# Altium PCB DB_ADCS.PcbDoc (part 1 of 2)
Units mm, origin at the board's own origin, x right, y up, seen from the top; angles counter-clockwise.
Board outline 63.5 x 43.5 mm, 2 copper layers (Top Layer, Bottom Layer), stack 1.671 mm thick; 120 components, 101 nets, 423 pads, 133 vias.
Unrouted connection lines stored in the file: 155.
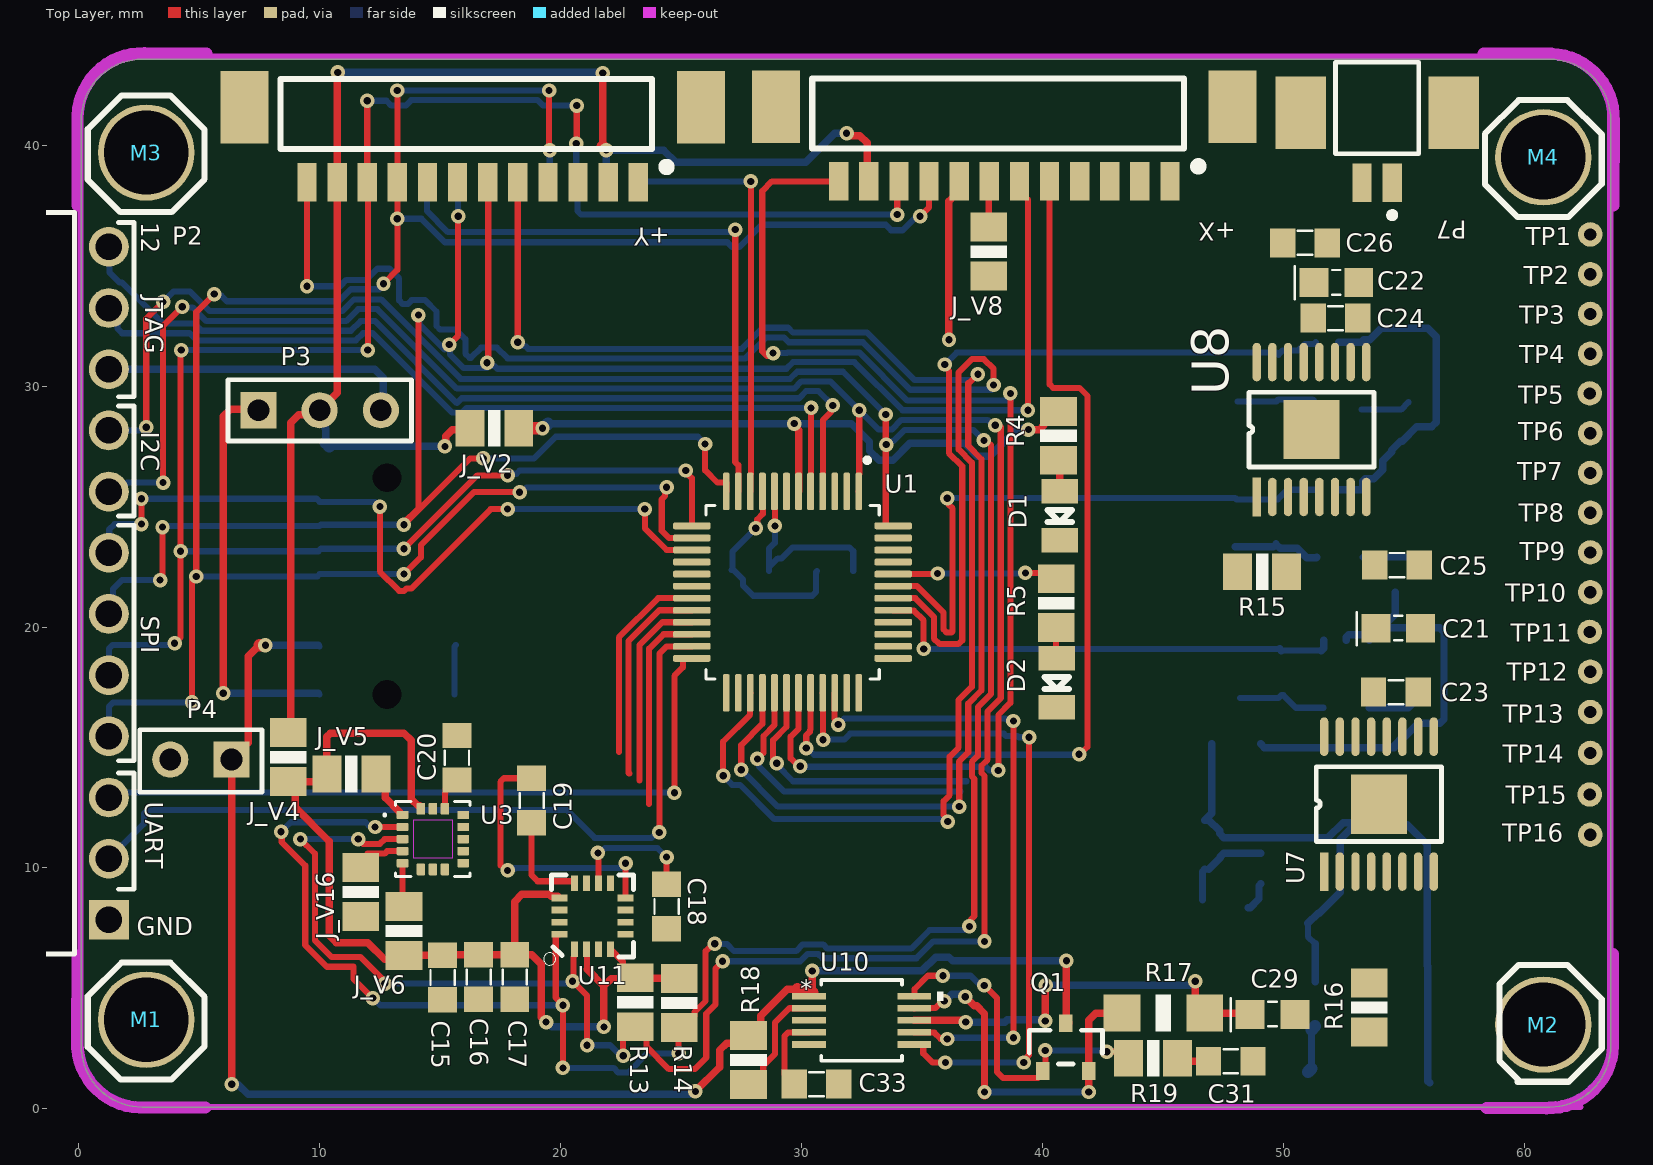
[diagram p0: Top Layer view]
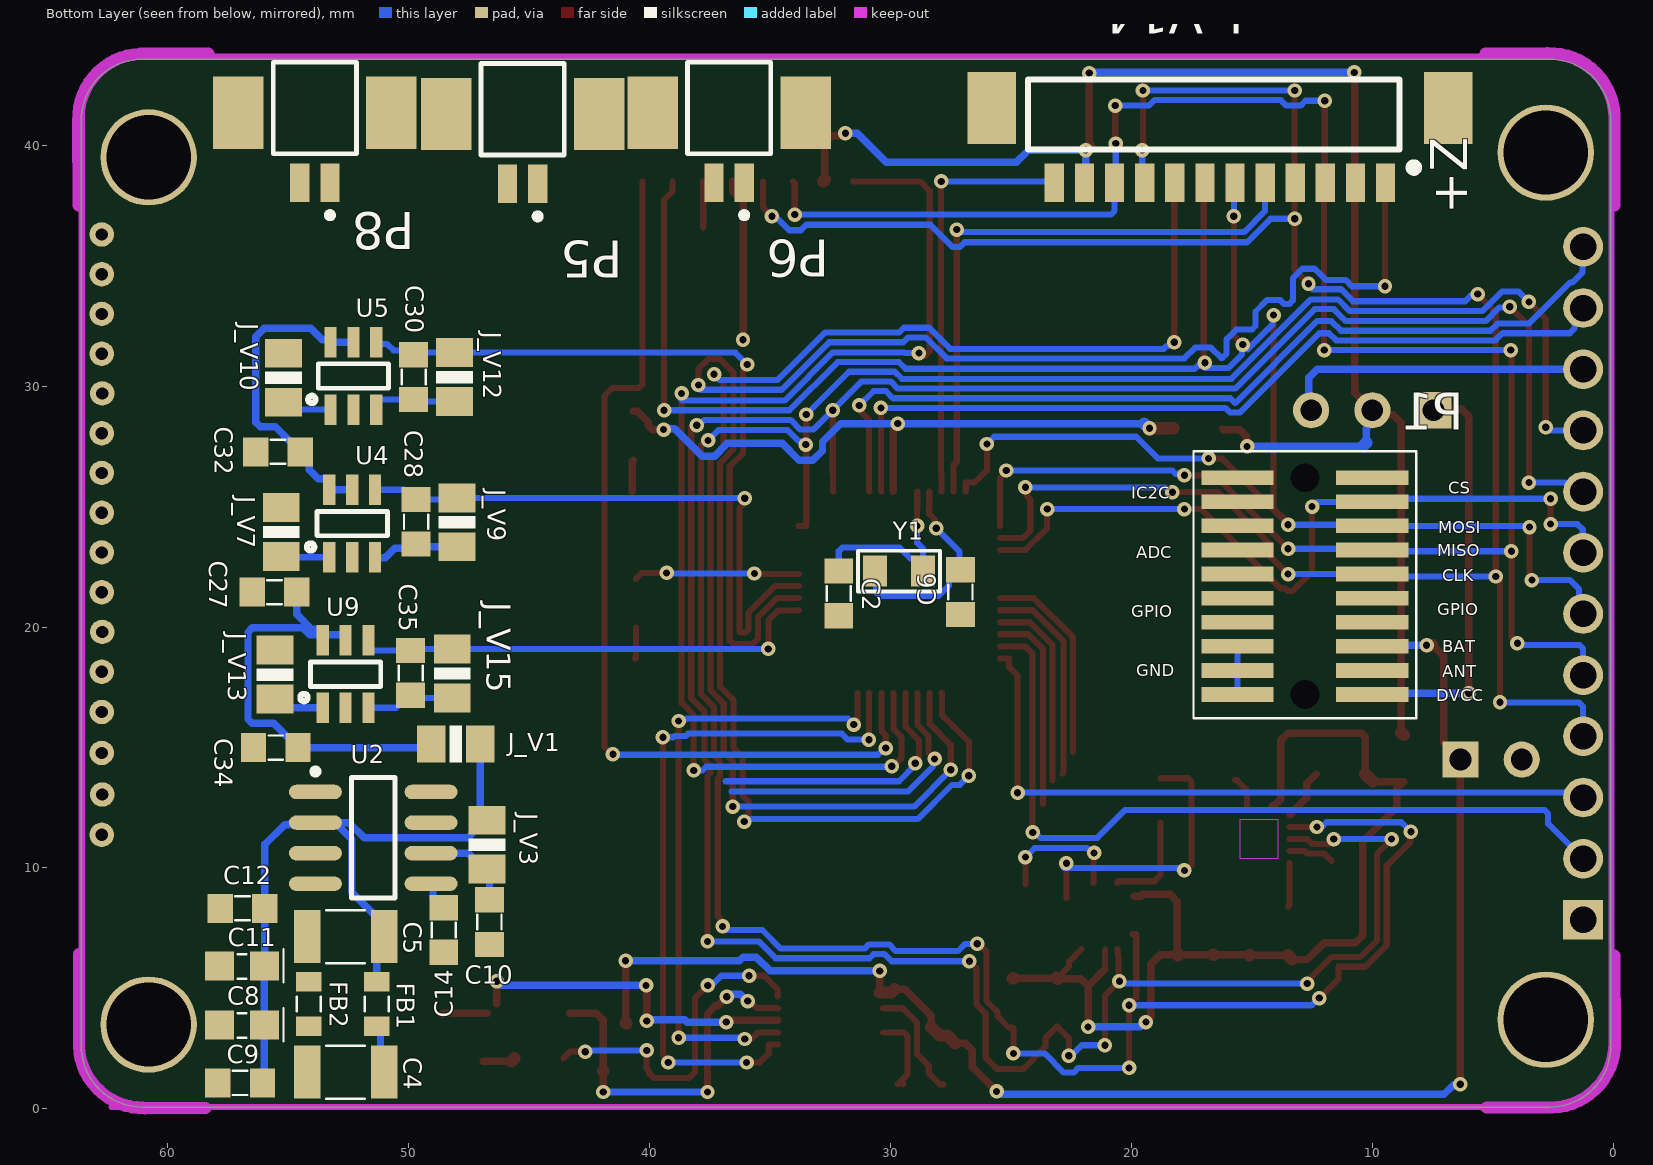
[diagram p1: Bottom Layer view, seen from below]

## Layer stack, top to bottom
Top Solder: solder mask 0.0102, Solder Resist, Dk 3.5
Top Layer: signal copper 0.0356
Dielectric 1: dielectric 1.6, FR-4, Dk 4.8
Bottom Layer: signal copper 0.0356
Bottom Solder: solder mask 0.0102, Solder Resist, Dk 3.5

## Board outline
0.1,2.615 0.1,41.035 cw(c2.64,41.035) 2.64,43.575 61.06,43.575 cw(c61.06,41.035) 63.6,41.035 63.6,2.615 cw(c61.06,2.615) 61.06,0.075 2.64,0.075 cw(c2.64,2.615)

## Design rules (kind name [scope] priority, off if disabled: settings)
Clearance Clearance_1 [(ObjectKind = 'Pad') And (AsMM(X1) = 60.75) And (AsMM(Y1) = 39.75)] p1: gap=0.254 ignorepadtopadclearanceinfootprint=FALSE except(0: Arc-Hole Track-Hole SMDPad-Hole THPad-Hole Via-Hole Fill-Hole Poly-Hole Region-Hole Text-Hole)
Clearance Clearance_6 [InNet('GND')] p2: gap=0.381 ignorepadtopadclearanceinfootprint=FALSE except(0: Arc-Hole Track-Hole SMDPad-Hole THPad-Hole Via-Hole Fill-Hole Poly-Hole Region-Hole Text-Hole; 0.127: SMDPad-SMDPad SMDPad-THPad; 0.152: THPad-THPad; 0.178: Arc-SMDPad Arc-THPad Track-SMDPad Track-THPad; 0.2: Arc-Arc Arc-Track Track-Track; 0.254: SMDPad-Fill SMDPad-Poly SMDPad-Region; 0.508: Arc-Text Track-Text SMDPad-Text Fill-Fill Fill-Poly Fill-Region Fill-Text Poly-Poly Poly-Region Poly-Text Region-Region Region-Text Text-Text)
Clearance [All] p3: gap=0.178 ignorepadtopadclearanceinfootprint=FALSE except(0: Arc-Hole Track-Hole SMDPad-Hole THPad-Hole Via-Hole Fill-Hole Poly-Hole Region-Hole Text-Hole; 0.127: Arc-Arc Arc-Track Track-Track SMDPad-SMDPad SMDPad-THPad THPad-THPad)
DiffPairsRouting DiffPairsRouting_1 [InDifferentialPair('XT2')] p1: maxlimit=0.254 minlimit=0.254 mostfreqgap=0.254 toplayer_minwidth=0.254 toplayer_maxwidth=0.254 toplayer_prefwidth=0.254 bottomlayer_minwidth=0.254 bottomlayer_maxwidth=0.254 bottomlayer_prefwidth=0.254 maxuncoupledlength=12.7
DiffPairsRouting [All] p2: maxlimit=0.152 minlimit=0.152 mostfreqgap=0.152 toplayer_minwidth=0.457 toplayer_maxwidth=0.457 toplayer_prefwidth=0.457 bottomlayer_minwidth=0.457 bottomlayer_maxwidth=0.457 bottomlayer_prefwidth=0.457 maxuncoupledlength=12.7
HoleSize [All] p1: absolutevalues=TRUE maxlimit=5.08 minlimit=0.025 maxpercent=80.000 minpercent=20.000
MinimumSolderMaskSliver [All] p1: minsoldermaskwidth=0
PlaneConnect [InNetClass('power')] p1: planeconnectstyle=Direct reliefexpansion=0.508 reliefentries=4 reliefconductorwidth=0.254 reliefairgap=0.254
PlaneConnect PlaneConnect_1 [All] p2: planeconnectstyle=Relief reliefexpansion=0.508 reliefentries=4 reliefconductorwidth=0.254 reliefairgap=0.254
PolygonConnect PolygonConnect_GDN_Mechole [(ObjectKind = 'Pad') And (AsMM(X1) = 60.75) And (AsMM(Y1) = 39.725) And (Component = 'M4')] p1: connectstyle=Direct reliefconductorwidth=0.254 reliefentries=4 polygonreliefangle="90 Angle" airgapwidth=0.254
PolygonConnect PolygonConnect_GND_pads [(ObjectKind = 'Pad') And (Net = 'GND')] p2: connectstyle=Relief reliefconductorwidth=0.254 reliefentries=4 polygonreliefangle="90 Angle" airgapwidth=0.254
RoutingVias [All] p1: holewidth=0.3 width=0.6 viastyle="Through Hole" minholewidth=0.3 minwidth=0.6 maxholewidth=0.3 maxwidth=0.6
SilkToSilkClearance [All] p1: silktosilkclearance=0.127
SilkToSolderMaskClearance [IsPad] p1: minsilkscreentomaskgap=0 clearancetoexposedcopper=TRUE
SolderMaskExpansion [All] p1: expansion=0.178 istentingtop=FALSE
Width Width_Power [InNetClass('Power')] p1: maxlimit=0.31 minlimit=0.31 preferedwidth=0.31 minimp=50.000000 maximp=50.000000 favimp=50.000000
Width [All] p2: maxlimit=1.778 minlimit=0.127 preferedwidth=0.254
24 further rules are at their usual default settings.

## Classes and differential pairs
net class Power: EXTRA_CHANNEL_1 MAGNETORQUER_X0 MAGNETORQUER_X1 MAGNETORQUER_Y0 MAGNETORQUER_Y1 MAGNETORQUER_Z1 VCC_MAGNETORQUER
component class "OBDH 2.0 to DB_ADCS interface connector": +X +Y +Z P1 P2 P3 P4 P5 P6 P7 P8
component class MCU_OBDH: C1 C2 C3 C4 C5 C6 C7 C8 C9 C10 C11 C12 C13 C14 D1 D2 FB1 FB2 J_V2 J_V3 R1 R2 R3 R4 R5 R6 R7 R8 R9 R10 R11 R12 TP1 U1 U2 Y1
component class "Magnetorquer Drivers": C21 C22 C23 C24 C25 C26 R15 R16 TP4 TP5 TP6 TP7 TP8 TP9 TP10 TP11 TP15 TP16 U7 U8
component class IMU: C15 C16 C17 C18 C19 C20 J_V4 J_V5 J_V6 J_V16 R13 R14 TP2 TP3 U3 U11
component class "Current Sensing": C27 C28 C29 C30 C31 C32 C33 C34 C35 J_V1 J_V7 J_V8 J_V9 J_V10 J_V11 J_V12 J_V13 J_V14 J_V15 Q1 R17 R18 R19 TP12 TP13 TP14 U4 U5 U9 U10
component class 0_Architecture: FD1 FD2 FD3 M1 M2 M3 M4

## Components (designator, comment, footprint, x,y, rotation, side; value= is the part's Value field where it differs from the comment)
+X "Header 12_PicoBlade" "HDR12 PicoBlade - duplicate" 45.3,38.5 r180 top
+Y "Header 12_PicoBlade" "HDR12 PicoBlade - duplicate" 23.225,38.475 r180 top
+Z "Header 12_PicoBlade" "HDR12 PicoBlade - duplicate" 9.45,38.45 r0 bottom
C1 "0.022uF/50V" CC0805 85.6,74.95 r0 top
C2 "12pF/50V" CC0805 32.15,21.4 r90 bottom
C3 "10uF/10V" CC0805_Tantalum 68.255,68.625 r0 top
C4 "22uF/16V" CC1210 52.625,1.525 r0 bottom
C5 "22uF/16V" CC1210 52.625,7.15 r0 bottom
C6 "12pF/50V" CC0805 27.1,21.45 r90 bottom
C7 "0.1uF/25V" CC0805 68.2,64.75 r0 top
C8 "10uF/10V" CC0805_Tantalum 56.925,3.475 r0 bottom
C9 "0.1uF/25V" CC0805 57,1.075 r0 bottom
C10 "0.1uF/25V" CC0805 46.65,7.75 r270 bottom
C11 "10uF/10V" CC0805_Tantalum 56.925,5.925 r0 bottom
C12 "0.1uF/25V" CC0805 56.9,8.325 r0 bottom
C13 "1nF/50V" CC0805 49.875,72.325 r0 top
C14 "0.01uF/25V" CC0805 48.55,7.425 r270 bottom
C15 "0.1uF/25V" CC0805 15.1,5.45 r270 top
C16 "2.2uF/16V" CC0805 16.6,5.475 r270 top
C17 "0.1uF/25V" CC0805 18.1,5.475 r270 top
C18 "4.7uF/16V" CC0805 24.4,8.4 r270 top
C19 "0.22uF/50V" CC0805 18.8,12.8 r270 top
C20 "0.47uF/50V" CC0805 15.7,14.575 r90 top
C21 "10uF/10V" CC0805_Tantalum 54.775,19.95 r0 top
C22 "10uF/10V" CC0805_Tantalum 52.205,34.3 r0 top
C23 "0.01uF/25V" CC0805 54.675,17.3 r180 top
C24 "0.01uF/25V" CC0805 52.175,32.825 r0 top
C25 "2.2uF/16V" CC0805 54.725,22.575 r0 top
C26 "2.2uF/16V" CC0805 50.9,35.95 r0 top
C27 "0.1uF/25V" CC0805 55.575,21.45 r0 bottom
C28 "18pF/50V" CC0805 49.7,24.375 r90 bottom
C29 "100uF/4V" CC0805_Tantalum 49.555,3.925 r0 top
C30 "18pF/50V" CC0805 49.8,30.375 r90 bottom
C31 "2.2nF/100V" CC0805 47.825,1.975 r180 top
C32 "0.1uF/25V" CC0805 55.425,27.275 r0 bottom
C33 "0.22uF/50V" CC0805 30.625,1.025 r0 top
C34 "0.1uF/25V" CC0805 55.525,15 r0 bottom
C35 "18pF/50V" CC0805 49.925,18.1 r90 bottom
D1 "GREEN" 0805-LED 40.725,24.607 r270 top
D2 "Orange" 0805-LED 40.6,17.675 r270 top
FB1 "30R@100Mhz, 3A" IND0805 51.325,4.35 r90 bottom
FB2 "30R@100Mhz, 3A" IND0805 54.15,4.35 r90 bottom
FD1 "Fiducial" "Fiducial 1.3mm" 26.425,73.3 r0 top
FD2 "Fiducial" "Fiducial 1.3mm" 23.025,78.1 r0 top
FD3 "Fiducial" "Fiducial 1.3mm" 18.725,82.1 r0 top
J_V1 "0R" 0805 48.05,15.15 r180 bottom
J_V2 "0R" 0805 17.25,28.25 r180 top
J_V3 "0R" 0805 46.75,10.966 r90 bottom
J_V4 "0R" 0805 8.7,14.6 r90 top
J_V5 "0R" 0805 11.316,13.9 r0 top
J_V6 "0R" 0805 13.5,7.384 r270 top
J_V7 "0R" 0805 55.3,23.95 r90 bottom
J_V8 "0R" 0805 37.775,35.584 r90 top
J_V9 "0R" 0805 48,24.35 r270 bottom
J_V10 "0R" 0805 55.2,30.35 r90 bottom
J_V11 "0R" 0805 11.2,50.284 r270 top
J_V12 "0R" 0805 48.1,30.375 r270 bottom
J_V13 "0R" 0805 55.55,18.025 r90 bottom
J_V14 "0R" 0805 21.5,48.984 r270 bottom
J_V15 "0R" 0805 48.2,18.075 r270 bottom
J_V16 "0R" 0805 11.7,9 r270 top
M1 "DB Mechanical Hole" "DB Mechanical Hole" 2.8,3.7 r0 top
M2 "DB Mechanical Hole" "DB Mechanical Hole" 60.8,3.5 r0 top
M3 "DB Mechanical Hole" "DB Mechanical Hole" 2.8,39.7 r0 top
M4 "DB Mechanical Hole" "DB Mechanical Hole" 60.8,39.5 r0 top
P1 "FSI-110-03-G-D-AD" "Mating FSI-110-03-G-D-AD" 12.8,21.7 r0 top
P2 "Header 12H" 61301211021 -1.52,21.815 r270 top
P3 "Header 3" HDR1X3 7.46,29 r0 top
P4 "Header 2H" HDR1X2H 6.34,14.5 r180 top
P5 "Header 2H_Picoblade" "HDR2 PICOBLADE" 45.275,39.85 r0 bottom
P6 "Header 2H_Picoblade" "HDR2 PICOBLADE" 36.7,39.9 r0 bottom
P7 "Header 2H_Picoblade" "HDR2 PICOBLADE" 53.9,39.9 r180 top
P8 "Header 2H_Picoblade" "HDR2 PICOBLADE" 53.9,39.9 r0 bottom
Q1 "SI2318DS-T1-E3" FP-S-03946-MFG 40.975,2.559 r90 top
R1 "33k" 0805 82.2,74.9 r180 top
R2 "10k" 0805 100.425,81.875 r0 top
R3 "10k" 0805 100.641,77.625 r0 top
R4 "330R" 0805 40.675,27.941 r90 top
R5 "330R" 0805 40.575,20.991 r90 top
R6 "10k" 0805 100.891,73.225 r0 top
R7 "10k" 0805 101.25,68.775 r0 top
R8 "10k" 0805 101.425,64.325 r0 top
R9 "10k" 0805 101.75,59.975 r0 top
R10 "10k" 0805 101.841,55.7 r0 top
R11 "10k" 0805 101.9,51.375 r0 top
R12 "47k" 0805 45.359,72.6 r180 top
R13 "10k" 0805 23.1,4.425 r90 top
R14 "10k" 0805 24.925,4.393 r90 top
R15 "0.2R/200mW" 0805 49.125,22.3 r0 top
R16 "0.2R/200mW" 0805 53.575,4.209 r90 top
R17 "0.025R" 1206 45.025,3.975 r180 top
R18 "510K" 0805 27.8,2.025 r270 top
R19 "22K" 0805 44.6,2.1 r0 top
TP1 "TEST_POINT_2" TEST_POINT_2 62.75,36.3 r90 top
TP2 "TEST_POINT_2" TEST_POINT_2 62.75,34.65 r90 top
TP3 "TEST_POINT_2" TEST_POINT_2 62.75,33 r90 top
TP4 "TEST_POINT_2" TEST_POINT_2 62.75,31.35 r180 top
TP5 "TEST_POINT_2" TEST_POINT_2 62.725,29.7 r180 top
TP6 "TEST_POINT_2" TEST_POINT_2 62.75,28.05 r180 top
TP7 "TEST_POINT_2" TEST_POINT_2 62.75,26.4 r180 top
TP8 "TEST_POINT_2" TEST_POINT_2 62.75,24.75 r180 top
TP9 "TEST_POINT_2" TEST_POINT_2 62.75,23.1 r180 top
TP10 "TEST_POINT_2" TEST_POINT_2 62.75,21.45 r180 top
TP11 "TEST_POINT_2" TEST_POINT_2 62.725,19.8 r90 top
TP12 "TEST_POINT_2" TEST_POINT_2 62.75,18.15 r90 top
TP13 "TEST_POINT_2" TEST_POINT_2 62.75,16.475 r90 top
TP14 "TEST_POINT_2" TEST_POINT_2 62.75,14.775 r90 top
TP15 "TEST_POINT_2" TEST_POINT_2 62.725,13.05 r90 top
TP16 "TEST_POINT_2" TEST_POINT_2 62.75,11.375 r90 top
U1 "MSP430FR2355TPT" "QFP50P900X900X160-48N - duplicate" 29.63,21.45 r270 top
U2 "REF5030A-Q1" SOIC-8 51.475,11.25 r180 bottom
U3 "IAM-20380" PQFN50P300X300X80-16N 14.7,11.2 r0 top
U4 "TLV341AIDBVR" "SOT-23 6L" 52.35,24.3 r180 bottom
U5 "TLV341AIDBVR" "SOT-23 6L" 52.3,30.425 r180 bottom
U7 "DRV8833PWPR" 16TTSSOP 53.975,12.65 r90 top
U8 "DRV8833PWPR" 16TTSSOP 51.175,28.2 r90 top
U9 "TLV341AIDBVR" "SOT-23 6L" 52.625,18.05 r180 bottom
U10 "LTC4368" MSOP-10_MS 32.5,3.675 r0 top
U11 "HMC5883L" LPCC-16 21.325,8 r90 top
Y1 "32.768kHz 12.5pF" "ABS06 0805" 29.65,22.325 r0 bottom

## Footprints (in the part's own frame and the unit in brackets; to place one, negate y for a bottom-side part, rotate by r counter-clockwise, add the part's x,y. Pads: shape width x height; smd on the part's side, far side on the other; paste and mask are expansions set on the pad)
16TTSSOP [mm]
  rect 2.46x2.31 smd mask+0.07: 0(0,0)
  rect 1.6x0.35 smd mask+0.07: 1(-2.8,2.275)
  oval 1.6x0.35 smd mask+0.07: 2(-2.8,1.625) 3(-2.8,0.975) 4(-2.8,0.325) 5(-2.8,-0.325) 6(-2.8,-0.975) 7(-2.8,-1.625) 8(-2.8,-2.275) 9(2.8,-2.275) 10(2.8,-1.625) 11(2.8,-0.975) 12(2.8,-0.325) 13(2.8,0.325) 14(2.8,0.975) 15(2.8,1.625) 16(2.8,2.275)
  silkscreen extent -1.55,-2.6 1.55,2.6, body extent -3.17,-2.55 3.22,2.55, height 1.2
0805 [mil]
  rect 47.24x60 smd: 1(-40,0) 2(40,0)
  silkscreen extent -10,-30 10,30, body extent -50,-24 49,25, height 31
0805-LED [mil]
  rect 40x60 smd: 1(-40.35,0) 2(39.65,0)
  silkscreen extent -10,-20 10,20, body extent -40,-25 40,25, height 43
1206 [mil]
  rect 60x60 smd: 1(-67.5,0) 2(67.5,0)
  silkscreen extent -13,-30 12,30, body extent -79,-31 78,32, height 60
61301211021 [mm] "Pin Header, pitch 2.54 mm, THT, Angled, single row, 12p"
  rect 1.65x1.65 hole 1.1: 1(13.97,2.77)
  round 1.65 hole 1.1: 2(11.43,2.77) 3(8.89,2.77) 4(6.35,2.77) 5(3.81,2.77) 6(1.27,2.77) 7(-1.27,2.77) 8(-3.81,2.77) 9(-6.35,2.77) 10(-8.89,2.77) 11(-11.43,2.77) 12(-13.97,2.77)
  silkscreen extent -15.39,-7.27 15.39,3.81, body extent -15.24,-7.27 15.24,3.09, height 2.58
"ABS06 0805" [mm]
  rect 1x1.3 smd: 1(-1,0) 2(1,0)
  silkscreen extent -1.7,-0.85 1.7,0.85, body extent -1,-0.6 1,0.62, height 0.6
CC0805 [mm]
  rect 1.05x1.2 smd: 1(-0.925,0) 2(0.925,0)
  silkscreen extent -0.3,-0.5 0.3,0.5, body extent -1.25,-0.62 1.25,0.62, height 0.78
CC0805_Tantalum [mm]
  rect 1.2x1.2 smd: 1(-0.93,0) 2(0.93,0)
  silkscreen extent -1.73,-0.7 0.18,0.67, body extent -1.04,-0.59 1.21,0.76, height 1.35
CC1210 [mm]
  rect 1.1x2.2 smd: 1(-1.6,0) 2(1.6,0)
  silkscreen extent -0.8,-1.1 0.8,1.1, body extent -2,-1.24 2,1.24, height 1.69
"DB Mechanical Hole" [mm]
  round 4 hole 3.5 mask+0: 0(0,0)
"Fiducial 1.3mm" [mil]
  round 32 smd: 1(0,0)
  Top Layer pour cut-out: -48.23,-6.89 -45.31,17.58 -30.69,37.43 -8.18,47.47 16.35,45.09 36.52,30.91 47.05,8.63 45.22,-15.95 31.5,-36.42 31.5,-36.42 8.41,-46.85 -16.81,-44.45 -37.51,-29.85 -48.23,-6.89
  Top Layer pour cut-out: 0.19,48.23
FP-S-03946-MFG [mil]
  rect 29x22 smd paste+0 mask+0: 1(-39,37.5) 2(-39,-37.5) 3(39,0)
  silkscreen extent -28,-60 28,60, body extent -57,-64 57,64, height 10
HDR1X2H [mm]
  rect 1.5x1.5 hole 0.9: 1(0,0)
  round 1.5 hole 0.9: 2(2.54,0)
  silkscreen extent -1.27,-1.24 3.81,1.36
HDR1X3 [mm] "Connector; Header; 3 Position"
  rect 1.5x1.5 hole 0.9: 1(0,0)
  round 1.5 hole 0.9: 2(2.54,0) 3(5.08,0)
  silkscreen extent -1.27,-1.27 6.35,1.27
"HDR2 PICOBLADE" [mm] "Header, 2-Leads, Pitch 1.25mm"
  rect 0.8x1.6 smd: 1(-0.625,1.45) 2(0.625,1.45)
  rect 2.1x3 smd: MP1(-3.175,-1.45) MP2(3.175,-1.45)
  silkscreen extent -1.72,-3.55 1.73,2.92, body extent -3.82,-3.55 3.83,1.65, height 3.41
"HDR12 PicoBlade - duplicate" [mm]
  rect 2x3 smd: 0(-2.6,-3.1) 0(16.35,-3.1)
  rect 0.8x1.6 smd: 1(0,0) 2(1.25,0) 3(2.5,0) 4(3.75,0) 5(5,0) 6(6.25,0) 7(7.5,0) 8(8.75,0) 9(10,0) 10(11.25,0) 11(12.5,0) 12(13.75,0)
  silkscreen extent -1.26,-4.28 14.85,-0.54, body extent -3.2,-4.45 16.95,-0.25, height 4.7
IND0805 [mm]
  rect 0.8x1.05 smd: 1(-0.925,0) 2(0.925,0)
  silkscreen extent -0.3,-0.5 0.3,0.5, body extent -1,-0.6 1,0.6, height 0.95
LPCC-16 [mm]
  rect 0.65x0.28 smd: 1(-1.37,0.75) 2(-1.37,0.25) 3(-1.37,-0.25) 4(-1.37,-0.75) 9(1.37,-0.75) 10(1.37,-0.25) 11(1.37,0.25) 12(1.37,0.75)
  rect 0.28x0.65 smd: 5(-0.75,-1.37) 6(-0.25,-1.37) 7(0.25,-1.37) 8(0.75,-1.37) 13(0.75,1.37) 14(0.25,1.37) 15(-0.25,1.37) 16(-0.75,1.37)
  silkscreen extent -2.03,-1.7 1.7,2.03
"Mating FSI-110-03-G-D-AD" [mm]
  rect 3x0.61 smd far side: 1(-2.8,-4.5) 2(2.8,-4.5) 3(-2.8,-3.5) 4(2.8,-3.5) 5(-2.8,-2.5) 6(2.8,-2.5) 7(-2.8,-1.5) 8(2.8,-1.5) 9(-2.8,-0.5) 10(2.8,-0.5) 11(-2.8,0.5) 12(2.8,0.5) 13(-2.8,1.5) 14(2.8,1.5) 15(-2.8,2.5) 16(2.8,2.5) 17(-2.8,3.5) 18(2.8,3.5) 19(-2.8,4.5) 20(2.8,4.5)
  round 0 hole 1.2: AT(0,-4.5) AT(0,4.5)
MSOP-10_MS [mil]
  rect 55x11 smd: 1(-86,39.4) 2(-86,19.7) 3(-86,0) 4(-86,-19.7) 5(-86,-39.4) 6(86,-39.4) 7(86,-19.7) 8(86,0) 9(86,19.7) 10(86,39.4)
  silkscreen extent -66,-66 133,66
PQFN50P300X300X80-16N [mm]
  rrect25% 0.49x0.35 smd: 1(-1.26,1) 2(-1.26,0.5) 3(-1.26,0) 4(-1.26,-0.5) 5(-1.26,-1) 9(1.26,-1) 10(1.26,-0.5) 11(1.26,0) 12(1.26,0.5) 13(1.26,1)
  rrect25% 0.35x0.49 smd: 6(-0.5,-1.26) 7(0,-1.26) 8(0.5,-1.26) 14(0.5,1.26) 15(0,1.26) 16(-0.5,1.26)
  Keep-Out Layer region: 0.8,-0.8 -0.8,-0.8 -0.8,0.8 0.8,0.8
  Keep-Out Layer region: 0.8,-0.8 -0.8,-0.8 -0.8,0.8 0.8,0.8
  silkscreen extent -2.05,-1.55 1.55,1.55
"QFP50P900X900X160-48N - duplicate" [mm]
  rrect50% 1.56x0.28 smd: 1(-4.18,2.75) 2(-4.18,2.25) 3(-4.18,1.75) 4(-4.18,1.25) 5(-4.18,0.75) 6(-4.18,0.25) 7(-4.18,-0.25) 8(-4.18,-0.75) 9(-4.18,-1.25) 10(-4.18,-1.75) 11(-4.18,-2.25) 12(-4.18,-2.75) 25(4.18,-2.75) 26(4.18,-2.25) 27(4.18,-1.75) 28(4.18,-1.25) 29(4.18,-0.75) 30(4.18,-0.25) 31(4.18,0.25) 32(4.18,0.75) 33(4.18,1.25) 34(4.18,1.75) 35(4.18,2.25) 36(4.18,2.75)
  rrect50% 0.28x1.56 smd: 13(-2.75,-4.18) 14(-2.25,-4.18) 15(-1.75,-4.18) 16(-1.25,-4.18) 17(-0.75,-4.18) 18(-0.25,-4.18) 19(0.25,-4.18) 20(0.75,-4.18) 21(1.25,-4.18) 22(1.75,-4.18) 23(2.25,-4.18) 24(2.75,-4.18) 37(2.75,4.18) 38(2.25,4.18) 39(1.75,4.18) 40(1.25,4.18) 41(0.75,4.18) 42(0.25,4.18) 43(-0.25,4.18) 44(-0.75,4.18) 45(-1.25,4.18) 46(-1.75,4.18) 47(-2.25,4.18) 48(-2.75,4.18)
  silkscreen extent -5.58,-3.6 3.6,3.6, body extent -4.57,-4.45 4.51,4.55, height 1.61
SOIC-8 [mm]
  oval 2.2x0.6 smd: 1(-2.4,1.905) 2(-2.4,0.635) 3(-2.4,-0.635) 4(-2.4,-1.905) 5(2.4,-1.905) 6(2.4,-0.635) 7(2.4,0.635) 8(2.4,1.905)
  silkscreen extent -2.53,-2.5 0.9,2.88, body extent -3,-2.45 3,2.45, height 1.75
"SOT-23 6L" [mm]
  rect 0.508x1.27 smd: 1(-0.95,-1.4) 2(0,-1.4) 3(0.95,-1.4) 4(0.95,1.4) 5(0,1.4) 6(-0.95,1.4)
  silkscreen extent -1.88,-1.13 1.46,0.51, body extent -1.5,-1.4 1.5,1.4, height 0.86
TEST_POINT_2 [mil]
  round 40 hole 20: 1(0,0)

## Part data
+X +Y: "Header, 12-Pin", Partnumber=53398-1271, LatestRevisionDate=17-Jul-2002, LatestRevisionNote="Re-released for DXP Platform.", Publisher="Altium Limited"
+Z: "Header, 12-Pin", Partnumber=533981271, LatestRevisionDate=17-Jul-2002, LatestRevisionNote="Re-released for DXP Platform.", Publisher="Altium Limited"
C1: library part Cap_Cer_X7R_0.022uF_50V_0805, "CAP CER 0.022UF 50V 5% X7R 0805", Partnumber=CGA4J2C0G1H223J125AA, NCM=8532.24.10
C2 C6: library part Cap_Cer_X7R_12pF_50V_0805, "CAP CER 12pF 50V 0805", Partnumber=CL21C120FBANNNC, NCM=8532.24.10
C3 C8 C11 C21 C22: library part Cap_Tant_SMD_10uF_6V3_0805, "CAP Tantalum 10uF 6.3V 10% 0805", Partnumber=TPSR106K006R1000, NCM=8532.21.11
C4 C5: library part Cap_Cer_X7R_0.01uF_16V_1210, "CAP CER 22uF 16V 10% X7R 1210", Partnumber=C3225X7R1C226K250AC, NCM=8532.24.10
C7 C9 C10 C12 C15 C17 C27 C32 C34: library part Cap_Cer_X7R_0.1uF_25V_0805, "CAP CER 0.1UF 25V 10% X7R 0805", Partnumber=CC0805KRX7R8BB104, NCM=8532.24.10
C13: library part Cap_Cer_X7R_0.001uF_50V_0805, "0805 1 nF 50V ±10 % Tolerance X7R Surface Mount Multilayer Ceramic Capacitor", Capacitance=1nF, Case Code (Imperial)=0805, Case Code (Metric)=2012, Dielectric=X7R, Dielectric Material=Ceramic, Insulation Resistance=100GR, Manufacturer="Kyocera AVX", Manufacturer Part Number=08055C102KAT2A, Max Operating Temperature=125°C, Min Operating Temperature=-55°C, Package Quantity=1, Supplier Part Number 1=478-1371-1-ND, Tolerance=10%, Voltage=50V, Case/Package=0805, Category="Ceramic Capacitors", ComponentLink1Description=https://datasheet.ciiva.com/11786/0900766b802d4698-11786944.pdf?src-supplier=RSComponents, ComponentLink1URL=https://datasheet.ciiva.com/11786/0900766b802d4698-11786944.pdf?src-supplier=RSComponents, ComponentLink2Description=https://datasheet.ciiva.com/19476/2009543-19476290.pdf?src-supplier=Jameco, ComponentLink2URL=https://datasheet.ciiva.com/19476/2009543-19476290.pdf?src-supplier=Jameco, ComponentLink3Description=https://datasheet.ciiva.com/150/cx7r-150264.pdf?src-supplier=Digi-Key, ComponentLink3URL=https://datasheet.ciiva.com/150/cx7r-150264.pdf?src-supplier=Digi-Key, ComponentLink4Description=https://datasheet.ciiva.com/150/cx7r-150265.pdf?src-supplier=Digi-Key, ComponentLink4URL=https://datasheet.ciiva.com/150/cx7r-150265.pdf?src-supplier=Digi-Key, Contact Plating=Tin,Matte, Depth=1.25mm, Dissipation Factor=2.5%, Height=0.94mm, Lead Free="Lead Free", Length=2.01mm, Mount="Surface Mount,PCB", Number of Pins=2, Packaging="Tape and Reel", Pricing 1="1=0,13000, 10=0,09400, 100=0,04400, 500=0,03086, 1000=0,02555 (USD)", Radiation Hardening=No, REACH SVHC="No SVHC", RoHS=Yes, Stock 1=168088, Supplier 1=Digi-Key, Termination=SMD/SMT, Thickness=0.037inch, Voltage Rating=50V, Voltage Rating (DC)=50V, Width=1.25mm
C14 C23 C24: library part Cap_Cer_X7R_0.01uF_50V_0805, "CAP CER 0.01uF 25V 10% X7R 0805", Partnumber=CL21B103KAANNNC, NCM=8532.24.10
C16 C25 C26: library part Cap_Cer_X7R_2.2uF_16V_0805, "CAP CER 2.2uF 16V 0805", Partnumber=C2012X7R1C225K125AB, NCM=8532.24.10
C18: library part Cap_Cer_X7R_4.7uF_16V_0805, "Cap Ceramic 4.7uF 16V X7R 10% SMD 0805 125C Embossed T/R", Capacitance=4.7uF, Case Code (Imperial)=0805, Case Code (Metric)=2012, Dielectric=X7R, Manufacturer="Kyocera AVX", Manufacturer Part Number=0805YC475KAT2A, Max Operating Temperature=125°C, Min Operating Temperature=-55°C, Package Quantity=1, Supplier Part Number 1=478-5722-1-ND, Tolerance=10%, Voltage=10V, Voltage Rating=16V, Case/Package=0805, Category="Ceramic Capacitors", ComponentLink1Description=https://datasheet.ciiva.com/11787/0900766b80dc2409-11787157.pdf?src-supplier=RSComponents, ComponentLink1URL=https://datasheet.ciiva.com/11787/0900766b80dc2409-11787157.pdf?src-supplier=RSComponents, ComponentLink2Description=https://datasheet.ciiva.com/154/cx7r-154080.pdf?src-supplier=Digi-Key, ComponentLink2URL=https://datasheet.ciiva.com/154/cx7r-154080.pdf?src-supplier=Digi-Key, ComponentLink3Description=https://datasheet.ciiva.com/154/cx7r-154081.pdf?src-supplier=Digi-Key, ComponentLink3URL=https://datasheet.ciiva.com/154/cx7r-154081.pdf?src-supplier=Digi-Key, ComponentLink4Description=https://datasheet.ciiva.com/7812/cx7r-7812213.pdf?src-supplier=Element14, ComponentLink4URL=https://datasheet.ciiva.com/7812/cx7r-7812213.pdf?src-supplier=Element14, ComponentLink5Description=https://datasheet.ciiva.com/7812/cx7r-7812214.pdf?src-supplier=Element14, ComponentLink5URL=https://datasheet.ciiva.com/7812/cx7r-7812214.pdf?src-supplier=Element14, ComponentLink6Description=https://datasheet.ciiva.com/5414/cx7r-218113-5414810.pdf?src-supplier=Mouser, ComponentLink6URL=https://datasheet.ciiva.com/5414/cx7r-218113-5414810.pdf?src-supplier=Mouser, ComponentLink7Description=https://datasheet.ciiva.com/2988/cx7r-2988060.pdf?src-supplier=Avnet, ComponentLink7URL=https://datasheet.ciiva.com/2988/cx7r-2988060.pdf?src-supplier=Avnet, ComponentLink8Description=https://datasheet.ciiva.com/16389/cx7r-16389021.pdf?src-supplier=Future+Electronics, ComponentLink8URL=https://datasheet.ciiva.com/16389/cx7r-16389021.pdf?src-supplier=Future+Electronics, ComponentLink9Description=https://datasheet.ciiva.com/154/cx7r-154079.pdf?src-supplier=Digi-Key, ComponentLink9URL=https://datasheet.ciiva.com/154/cx7r-154079.pdf?src-supplier=Digi-Key, ComponentLink10Description=https://datasheet.ciiva.com/11570/cx7r-11570847.pdf?src-supplier=Avnet, ComponentLink10URL=https://datasheet.ciiva.com/11570/cx7r-11570847.pdf?src-supplier=Avnet, Contact Plating=Tin,Matte, Depth=1.25mm, Dissipation Factor=3.5%, Height=1.52mm, Lead Free="Lead Free", Length=2.01mm, Mount="Surface Mount", Number of Pins=2, Packaging="Tape and Reel", Pricing 1="1=0,51000, 10=0,36300, 100=0,23910, 500=0,17710, 1000=0,15054 (USD)", Radiation Hardening=No, REACH SVHC="No SVHC", RoHS=Yes, Stock 1=183899, Supplier 1=Digi-Key, Termination=SMD/SMT, Thickness=0.06inch, Voltage Rating (DC)=16V, Width=0.049inch